# Altium PCB V1_PCB-main.PcbDoc (part 3 of 7) (continued)
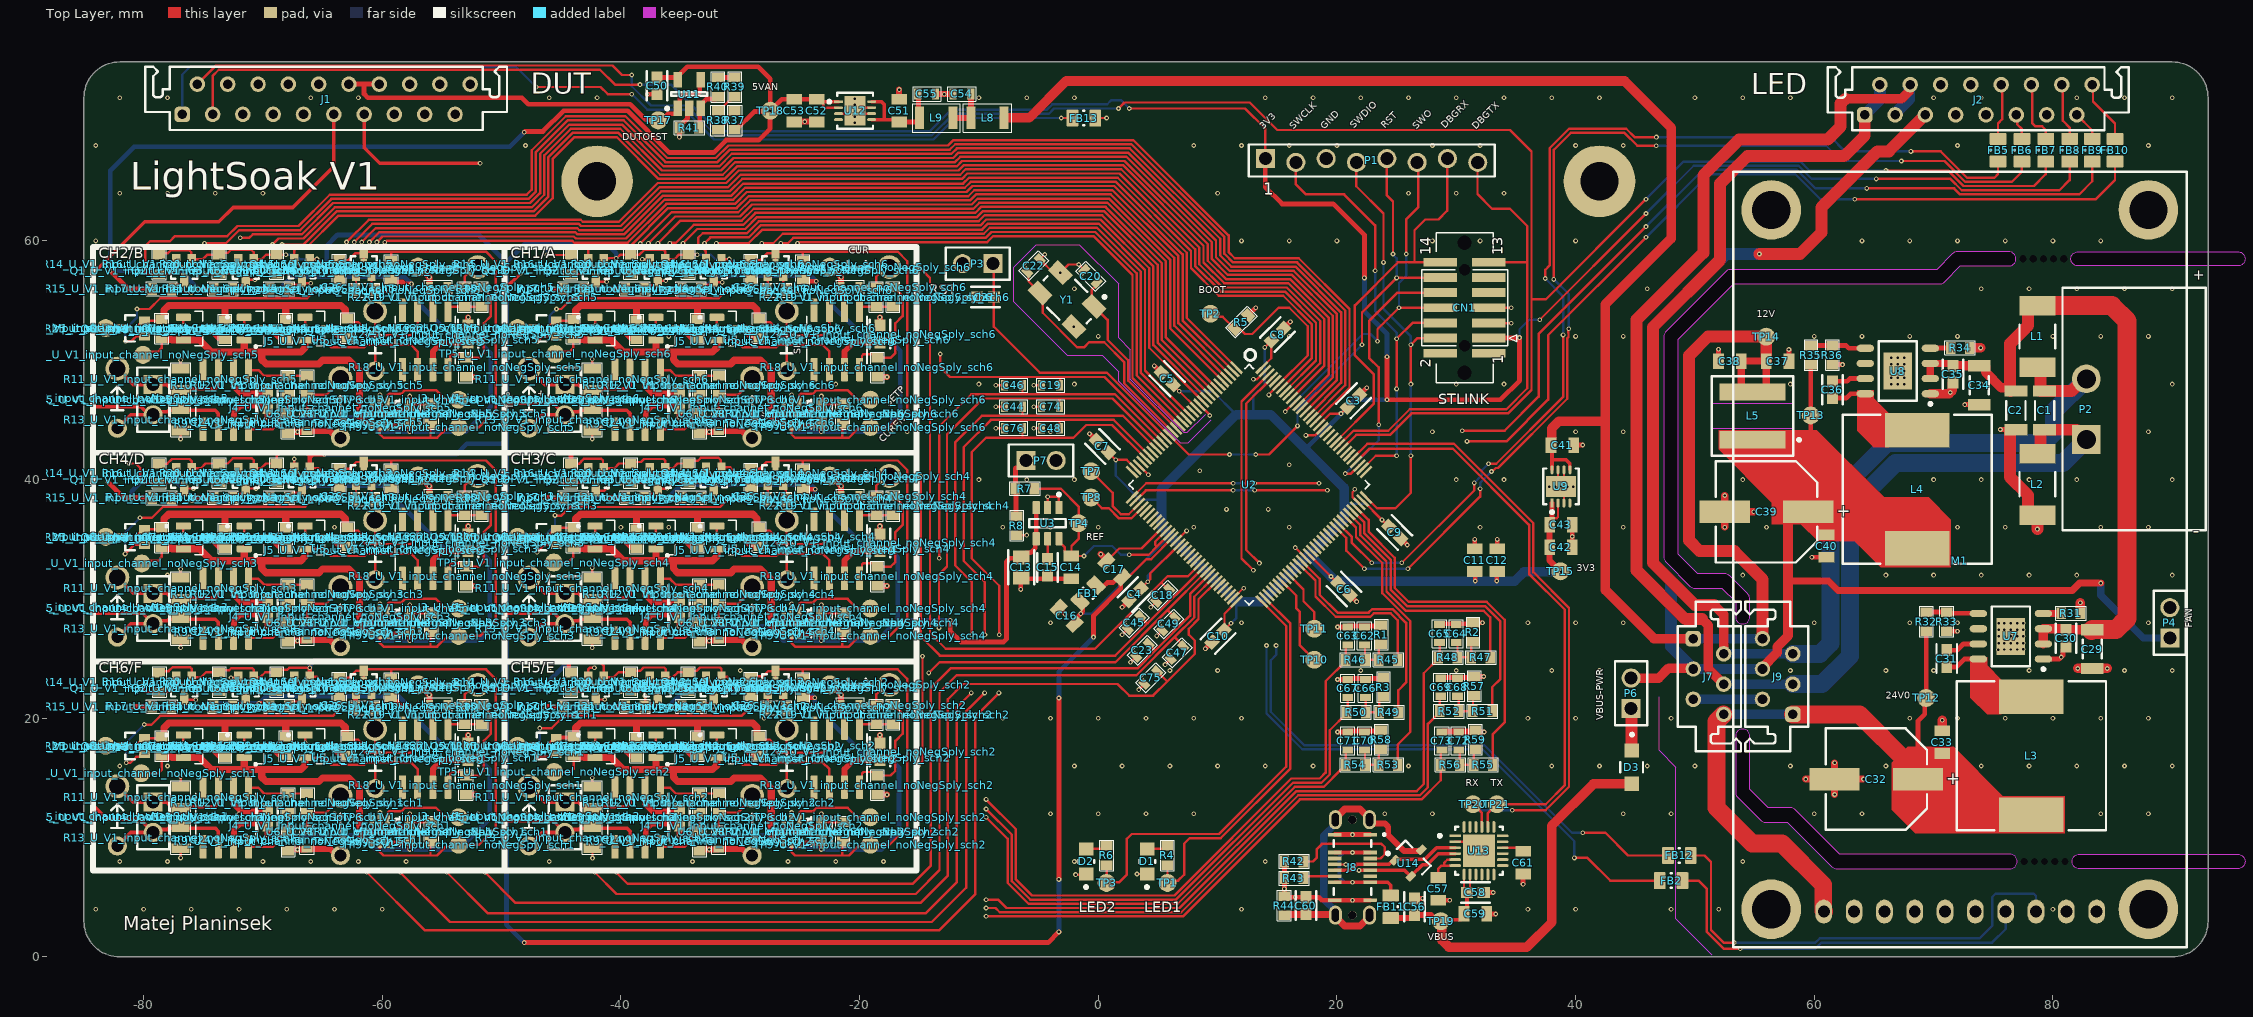
[diagram p0: Top Layer view]
## Nets (pads, with @x,y where several pads share a name; then routed paths per layer and width w, separated by ;. In a path a pad name is that pad's centre, name@x,y a point inside that pad or via, vN(x,y) a via of type N, cw(c..) or ccw(c..) an arc to the next point about the centre after c; other vN are vias at no path point) (continued)
  Top Layer w0.5: U4_U_V1_input_channel_noNegSply_sch1.7@-72.465,9.225 -72.42,9.27 -72.42,10.68 -71.9,11.2 -69.802,11.2 C25_U_V1_input_channel_noNegSply_sch1.1@-69.6,10.998 v1(-69.6,10.2) ; U4_U_V1_input_channel_noNegSply_sch3.7@-72.465,26.725 -72.42,26.77 -72.42,28.18 -71.9,28.7 -69.802,28.7 C25_U_V1_input_channel_noNegSply_sch3.1@-69.6,28.498 v1(-69.6,27.7) ; U4_U_V1_input_channel_noNegSply_sch5.7@-72.465,44.225 -72.42,44.27 -72.42,45.68 -71.9,46.2 -69.802,46.2 C25_U_V1_input_channel_noNegSply_sch5.1@-69.6,45.998 v1(-69.6,45.2) ; U5_U_V1_input_channel_noNegSply_sch1.7@-55.765,14.225 -55.765,15.735 -55.002,16.498 C27_U_V1_input_channel_noNegSply_sch1.1@-52.8,16.498 -52.598,16.7 v1(-52,16.7) ; U5_U_V1_input_channel_noNegSply_sch3.7@-55.765,31.725 -55.765,33.235 -55.002,33.998 C27_U_V1_input_channel_noNegSply_sch3.1@-52.8,33.998 -52.598,34.2 v1(-52,34.2) ; U5_U_V1_input_channel_noNegSply_sch5.7@-55.765,49.225 -55.765,50.735 -55.002,51.498 C27_U_V1_input_channel_noNegSply_sch5.1@-52.8,51.498 -52.598,51.7 v1(-52,51.7) ; U4_U_V1_input_channel_noNegSply_sch2.7@-37.965,9.225 -37.92,9.27 -37.92,10.68 -37.4,11.2 -35.302,11.2 C25_U_V1_input_channel_noNegSply_sch2.1@-35.1,10.998 v1(-35.1,10.2) ; U4_U_V1_input_channel_noNegSply_sch4.7@-37.965,26.725 -37.92,26.77 -37.92,28.18 -37.4,28.7 -35.302,28.7 C25_U_V1_input_channel_noNegSply_sch4.1@-35.1,28.498 v1(-35.1,27.7) ; U4_U_V1_input_channel_noNegSply_sch6.7@-37.965,44.225 -37.92,44.27 -37.92,45.68 -37.4,46.2 -35.302,46.2 C25_U_V1_input_channel_noNegSply_sch6.1@-35.1,45.998 v1(-35.1,45.2) ; U5_U_V1_input_channel_noNegSply_sch2.7@-21.265,14.225 -21.265,15.735 -20.502,16.498 C27_U_V1_input_channel_noNegSply_sch2.1@-18.3,16.498 -18.098,16.7 v1(-17.5,16.7) ; U5_U_V1_input_channel_noNegSply_sch4.7@-21.265,31.725 -21.265,33.235 -20.502,33.998 C27_U_V1_input_channel_noNegSply_sch4.1@-18.3,33.998 -18.098,34.2 v1(-17.5,34.2) ; U5_U_V1_input_channel_noNegSply_sch6.7@-21.265,49.225 -21.265,50.735 -20.502,51.498 C27_U_V1_input_channel_noNegSply_sch6.1@-18.3,51.498 -18.098,51.7 v1(-17.5,51.7)
  Inner layer 2 w0.4: v1(-82.8,57.5) -84.5,55.8 -84.5,43.5 -83,42 v1(-83,39.8) -84.5,38.3 -84.5,24.5 v1(-81,21) ; v1(-27.5,70.9) -27.5,64.6 -22.7,59.8 -14.7,59.8 -13.7,58.8 -13.7,53.2 -12.3,51.8 -12.3,48.5 -15,45.8 v1(-15,45.5) -15,42.6 -13.7,41.3 -13.7,37.3 -11.4,35 -11.4,32 -12.4,31 v1(-12.4,28.2) -12.4,15.1 -11.6,14.3 -9.1,14.3 -8.6,13.8 -8.6,10.9 -9,10.5 v1(-14.8,10.5)
  Bottom Layer w0.4: v1(-81,21) v1(-74.875,21) -74.625,21.25 v1(-70.325,21.25) -69.725,21.85 -58.6,21.85 v1(-57.725,20.975) -57.725,20.525 -53.9,16.7 v1(-52,16.7) -51,15.7 -51,11.6 -53.6,9 v1(-57.7,9) -60.5,9 -61.7,10.2 v1(-69.6,10.2) ; v1(-80.975,38.5) -80.975,39.025 -80.2,39.8 -77.25,39.8 -75.95,38.5 v1(-75.95,38.225) -70.775,38.225 v1(-70.5,38.5) -67.3,38.5 -66.3,39.5 -59.2,39.5 -58.75,39.05 v1(-58.75,38.175) -54.775,34.2 v1(-52,34.2) -51,33.2 -51,27.4 -51.9,26.5 v1(-57.7,26.5) -60.3,26.5 -61.4,27.6 -69.5,27.6 v1(-69.6,27.7) ; v1(-69.6,45.2) -61.5,45.2 -60.3,44 v1(-57.7,44) -53,44 -50.9,46.1 -50.9,50.6 v1(-52,51.7) -53.9,51.7 -57.55,55.35 v1(-57.55,56.4) -58.15,57 -67.6,57 -68.6,56 v1(-70.5,56) v1(-75.4,56) -76.9,57.5 v1(-82.8,57.5) -82.8,65.9 -80.8,67.9 -49.3,67.9 v1(-48.1,69.1) ; v1(-46.5,21) v1(-40.55,21) v1(-36,21) -34.7,22.3 -24.325,22.3 v1(-23.75,21.725) -23.75,21.05 -19.4,16.7 v1(-17.5,16.7) -16.7,15.9 -16.7,10.5 ; v1(-46.5,38.5) v1(-41.25,38.5) v1(-36,38.5) -34.9,39.6 -24.125,39.6 v1(-23.725,39.2) -23.725,38.525 -19.4,34.2 v1(-17.5,34.2) -16.8,33.5 -16.8,28.2 ; v1(-45.925,56) v1(-40.7,56) -33,56 -31.9,57.1 -24.1,57.1 v1(-23.625,56.625) -23.625,55.925 -19.4,51.7 v1(-17.5,51.7) -16.6,50.8 -16.6,45.5 ; v1(-35.1,10.2) -26.8,10.2 -25.8,9.2 -23.4,9.2 v1(-23.2,9) -18.2,9 -16.7,10.5 ; v1(-35.1,27.7) -27.6,27.7 -26.4,26.5 v1(-23.2,26.5) -18.5,26.5 -16.8,28.2 ; v1(-35.1,45.2) -26.7,45.2 -25.5,44 v1(-23.2,44) -18.1,44 -16.6,45.5 ; v1(-15,45.5) -16.6,45.5 ; v1(-14.8,10.5) -16.7,10.5 ; v1(-12.4,28.2) -16.8,28.2
+12V0: C37.2 C38.2 C41.2 J7.1 J9.6 L5.2 L8.1 TP14.1 U9.5 U9.8 | length 171.3
  Top Layer w0.3: C41.2@37.941,42.895 38.025,42.81 38.025,41.662 ; U9.8@38.025,40.813 38.025,41.662 ; U9.5@39.525,40.813 39.525,41.329 39.192,41.662 38.025,41.662
  Top Layer w0.6: L5.2@53.875,47.76 54.3,47.335 L5.2@54.825,47.335 55.55,47.335 55.975,47.76 C37.2@55.975,49.935 C38.2@53.875,49.935 L5.2@53.875,47.76
  Top Layer w0.8: L8.1@-7.885,70.316 -5.784,70.316 -2.7,73.4 44.1,73.4 48,69.5 48,60.2 42.5,54.7 42.5,44.9 ; C41.2@37.941,42.895 37.991,42.945 37.991,44.291 38.6,44.9 42.5,44.9 ; J7.1@49.86,26.67 46.57,26.67 42.5,30.74 42.5,44.9
  Top Layer w1: J9.6@55.66,26.67 55.66,31.64 53.3,34 50.4,34 49.5,34.9 49.5,50.389 51.086,51.975 TP14.1@55.975,51.975 ; C37.2@55.975,49.935 TP14.1@55.975,51.975 ; TP14.1@56.071,52.071 TP14.1@55.975,51.975
  Bottom Layer w0.8: J7.1@49.86,26.67 J9.6@55.66,26.67
+12V-NOFILTER: C39.1 C40.2 J2.5 J7.3 J9.4 L4.2 L5.1 P4.1 P6.2 R35.2 TP13.1 | length 129.8
  Top Layer w0.4: 59.7,43.225 TP13.1@59.7,45.375 59.712,45.388 59.712,49.623 R35.2@59.725,49.635
  Top Layer w0.6: 57.8,31.5 61.2,31.5 62,30.7 81.619,30.7 82.244,31.325 v1(84,31.325)
  Top Layer w0.8: P6.2@44.625,23.395 P6.2@44.65,23.37 46.97,23.37 47.8,24.2 49.79,24.2 J7.3@49.86,24.13 ; J9.4@55.66,24.13 55.66,24.265 56.887,25.492 56.887,25.987 57.8,26.9 57.8,31.5 57.8,36.75 58.35,37.3 C39.1@59.5,37.3
  Top Layer w1: v1(55.4,58.9) 58.8,58.9 60.6,60.7 60.6,62.8 65.3,67.5 66.25,67.5 J2.5@69.31,70.56
  Bottom Layer w0.6: v1(84,31.325) 84,30.3 87.57,26.73 P4.1@89.8,26.73
  Bottom Layer w0.8: J7.3@49.86,24.13 J9.4@55.66,24.13
  Bottom Layer w1: J7.3@49.86,24.13 48,25.99 48,31.5 46.5,33 46.5,52.8 52.6,58.9 v1(55.4,58.9)
+24V0: C32.1 C33.2 J7.6 J9.1 L3.2 M1.1 R32.2 TP12.1 | length 53.7
  Top Layer w0.4: C32.1@68.7,14.9 68.7,19.8 69.25,20.35 69.25,21.575 TP12.1@69.375,21.7 69.387,21.713 69.387,27.288 R32.2@69.4,27.3
  Top Layer w1.5: J7.6@52.4,20.32 51.8,19.72 51.8,12.5 54.8,9.5 57.3,9.5 60.75,6.05 60.75,3.85 M1.1@60.8,3.8 ; J9.1@58.2,20.32 63.78,20.32 67.87,16.23 67.87,15.1 C32.1@68.597,15.1
  Bottom Layer w0.8: J7.6@52.4,20.32 J9.1@58.2,20.32
+MAIN-PWR-IN: C2.1 C29.1 C30.1 C34.1 C35.1 L1.2 U7.2 U7.3 U8.2 U8.3 | length 59.6
  Top Layer w0.6: U8.2@69.725,48.465 U8.3@69.725,49.735 71.469,49.735 71.625,49.579 C35.1@71.625,49.535
  Top Layer w0.8: C35.1@71.625,49.535 C34.1@73.825,49.535 74.301,49.535 74.378,49.458 74.378,48.982 75.66,47.7 C2.1@76.4,47.7 ; C2.1@76.423,47.426 C2.1@76.8,47.426 ; U7.2@79.2,26.23 U7.3@79.2,27.5 81.044,27.5 81.1,27.444 C30.1@81.1,27.402 81.112,27.414 83.161,27.414 C29.1@83.224,27.35
  Top Layer w1: C2.1@76.423,47.426 76.4,47.448 76.4,51.4 77.914,52.914 77.914,54.25 78.239,54.575 L1.2@78.7,54.575
  Top Layer w1.6: L1.2@78.7,54.575 84.925,54.575 86.2,53.3 86.2,28.363 85.263,27.426 C29.1@83.3,27.426 C29.1@83.224,27.35
+VBUS: C56.1 C58.1 C59.2 D3.2 FB11.2 TP19.1 U13.7 U13.8 | length 40.2
  Top Layer w0.2: U13.7@30.65,6.91 30.65,5.648 C58.1@30.898,5.4 31.15,5.652 U13.8@31.15,6.91
  Top Layer w0.3: TP19.1@28.375,3 TP19.1@28.7,3 28.8,3.1 30.35,3.1 30.65,3.4 C59.2@30.65,3.6 30.898,3.848 C58.1@30.898,5.4
  Top Layer w0.5: FB11.2@24.5,3.25 26.294,3.25 26.5,3.456 C56.1@26.5,3.498 27.877,3.498 TP19.1@28.375,3
  Top Layer w0.8: TP19.1@28.796,2.904 28.796,1.411 29.381,0.825 35.925,0.825 38,2.9 38,11 41.5,14.5 D3.2@44.7,14.5
  Top Layer w1: TP19.1@28.7,3 TP19.1@28.796,2.904
+VIN-NOFILTER: C1.1 J2.1 J2.2 J7.2 J9.5 L1.1 P2.2 | length 118.1
  Top Layer w0.8: 51.6,29.5 52.4,28.7 J7.2@52.4,25.4
  Top Layer w1: 51.6,29.5 50,29.5 46.5,33 46.5,52.8 52.1,58.4 52.1,64.8 54.4,67.1 62.5,67.1 64.23,68.83 J2.1@64.23,70.56 ; L1.1@78.7,49.425 78.95,49.175 78.95,47.448 78.973,47.426 81.567,47.426 82.582,48.44 P2.2@82.8,48.44
  Bottom Layer w0.8: J7.2@52.4,25.4 J9.5@58.2,25.4
  Bottom Layer w1: J2.1@64.23,70.56 65.5,71.83 J2.2@65.5,73.1
  Bottom Layer w1.5: J9.5@58.2,25.4 60.471,25.4 61.35,26.279 61.35,38.283 66.117,43.05 79.221,43.05 80.1,43.929 80.1,45.74 P2.2@82.8,48.44
CH1-CUR: C18.1 C26_U_V1_input_channel_noNegSply_sch6.2 J6_U_V1_input_channel_noNegSply_sch6.POS R22_U_V1_input_channel_noNegSply_sch6.1 U2.53 | length 64.3
  Top Layer w0.2: C26_U_V1_input_channel_noNegSply_sch6.2@-20.05,56.1 R22_U_V1_input_channel_noNegSply_sch6.1@-18.6,56.1 -18.6,57 -17.8,57.8 J6_U_V1_input_channel_noNegSply_sch6.POS@-17.5,57.8 ; v1(-15,57.8) -14.1,56.9 -14.1,27.15 -12.775,25.825 -0.275,25.825 5.3,31.4 ; C18.1@5.93,30.83 5.83,30.83 5.3,31.361 5.3,31.4 ; U2.53@8.487,32.88 7.506,31.9 5.8,31.9 5.3,31.4
  Inner layer 2 w0.2: J6_U_V1_input_channel_noNegSply_sch6.POS@-17.5,57.8 v1(-15,57.8)
CH1-CUR-EN: Q4_U_V1_input_channel_noNegSply_sch6.2 R23_U_V1_input_channel_noNegSply_sch6.1 U2.18 | length 51
  Top Layer w0.2: Q4_U_V1_input_channel_noNegSply_sch6.2@-26.875,57.7 -26.875,57.665 -26.65,57.44 -26.65,57.325 Q4_U_V1_input_channel_noNegSply_sch6.2@-26.4,57.075 -26.4,56.1 R23_U_V1_input_channel_noNegSply_sch6.1@-26.175,55.875 -26.075,55.775 v1(-25.175,55.775) ; v1(-25.2,59.8) -25.146,59.8 -25.046,59.9 -9.3,59.9 -8.8,60.4 -0.4,60.4 2.869,57.131 2.869,48.506 U2.18@6.795,44.579
  Inner layer 2 w0.2: v1(-25.2,59.8) -25.2,55.8 v1(-25.175,55.775)
CH1-SETPOINT: C63.2 R46.1 TP6_U_V1_input_channel_noNegSply_sch6.1 U6_U_V1_input_channel_noNegSply_sch6.1 | length 108.3
  Top Layer w0.2: U6_U_V1_input_channel_noNegSply_sch6.1@-25.05,46.45 -25.05,47.083 -24.933,47.2 -23.9,47.2 -23.6,47.5 -21,47.5 -20.2,46.7 v1(-19.1,46.7) ; v1(-9.4,13.2) -6.9,10.7 -6.9,6.5 -5.55,5.15 6.375,5.15 16.175,14.95 18.555,14.95 19.05,15.445 19.05,23.1 20.75,24.8 R46.1@20.75,24.9 20.75,26 C63.2@20.9,26.15
  Inner layer 2 w0.2: v1(-19.1,46.7) -19.1,38.4 -15.4,34.7 -13.2,34.7 -12.5,34 -12.5,33.1 -13.1,32.5 -15.5,32.5 -16.2,31.8 -16.2,27.6 -19.85,23.95 -19.85,18.345 -19.455,17.95 -14.355,17.95 -13.55,17.145 -13.55,13.95 -12.8,13.2 v1(-9.4,13.2)
CH1-SHNTRNG-1: Q3_U_V1_input_channel_noNegSply_sch6.2 R20_U_V1_input_channel_noNegSply_sch6.1 U2.10 | length 59.2
  Top Layer w0.2: R20_U_V1_input_channel_noNegSply_sch6.1@-34.35,57.25 -33.225,57.25 -32.875,57.6 Q3_U_V1_input_channel_noNegSply_sch6.2@-32.875,58.475 ; R20_U_V1_input_channel_noNegSply_sch6.1@-34.1,57.4 R20_U_V1_input_channel_noNegSply_sch6.1@-34.1,57.5 ; Q3_U_V1_input_channel_noNegSply_sch6.2@-32.4,57.85 -32.4,57.885 -32.625,58.11 -32.625,58.225 Q3_U_V1_input_channel_noNegSply_sch6.2@-32.875,58.475 ; U2.10@9.051,46.835 4.619,51.267 4.619,57.856 0.325,62.15 -9.525,62.15 -10.025,61.65 -28.44,61.65 -29.44,60.65 -33.15,60.65 -33.525,60.275 -33.525,59.475 -33.4,59.35 -33.1,59.35 -32.9,59.15 -32.9,58.5 Q3_U_V1_input_channel_noNegSply_sch6.2@-32.875,58.475
CH1-SHNTRNG-10: Q2_U_V1_input_channel_noNegSply_sch6.2 R16_U_V1_input_channel_noNegSply_sch6.1 U2.4 | length 66
  Top Layer w0.2: R16_U_V1_input_channel_noNegSply_sch6.1@-39.5,57.5 R16_U_V1_input_channel_noNegSply_sch6.1@-39.5,57.6 ; R16_U_V1_input_channel_noNegSply_sch6.1@-39.175,57.25 -37.975,57.25 -37.6,57.625 -37.6,58.325 Q2_U_V1_input_channel_noNegSply_sch6.2@-37.45,58.325 ; v1(-38.375,59.775) -35.75,62.4 -30.165,62.4 -29.165,63.4 -16.2,63.4 -10.75,63.4 -10.25,63.9 1.05,63.9 6.369,58.581 6.369,52.901 U2.4@10.743,48.527 ; v1(-38.2,58.45) Q2_U_V1_input_channel_noNegSply_sch6.2@-37.575,58.45 Q2_U_V1_input_channel_noNegSply_sch6.2@-37.45,58.325 ; Q2_U_V1_input_channel_noNegSply_sch6.2@-37.1,57.825 -37.1,57.86 -37.325,58.085 -37.325,58.2 Q2_U_V1_input_channel_noNegSply_sch6.2@-37.45,58.325
  Inner layer 2 w0.2: v1(-38.375,59.775) -38.375,59.175 -38.2,59 v1(-38.2,58.45)
CH1-SHNTRNG-100: Q1_U_V1_input_channel_noNegSply_sch6.2 R14_U_V1_input_channel_noNegSply_sch6.1 U2.3 | length 69.5
  Top Layer w0.2: R14_U_V1_input_channel_noNegSply_sch6.1@-44.2,57.225 -43.325,57.225 -42.75,57.8 Q1_U_V1_input_channel_noNegSply_sch6.2@-42.75,58.45 ; Q1_U_V1_input_channel_noNegSply_sch6.2@-42.275,57.825 -42.275,57.86 -42.5,58.085 -42.5,58.2 Q1_U_V1_input_channel_noNegSply_sch6.2@-42.75,58.45 ; U2.3@11.024,48.809 6.719,53.115 6.719,58.726 1.195,64.25 -10.395,64.25 -10.895,63.75 -29.31,63.75 -30.31,62.75 -36.045,62.75 -39.295,59.5 -42.575,59.5 -42.75,59.325 Q1_U_V1_input_channel_noNegSply_sch6.2@-42.75,58.45
CH1-VOLT: C19.1 C24_U_V1_input_channel_noNegSply_sch6.2 J4_U_V1_input_channel_noNegSply_sch6.POS R12_U_V1_input_channel_noNegSply_sch6.1 U2.22 | length 44.9
  Top Layer w0.2: C24_U_V1_input_channel_noNegSply_sch6.2@-31.8,45.55 R12_U_V1_input_channel_noNegSply_sch6.1@-31.8,47.1 -30.2,47.1 -29,48.3 J4_U_V1_input_channel_noNegSply_sch6.POS@-29,48.5 ; v1(-13.25,50.525) -13.25,49.425 -12.425,48.6 -3.175,48.6 ; C19.1@-3.25,47.9 -3.175,47.975 -3.175,48.6 ; U2.22@5.667,43.451 0.518,48.6 -3.175,48.6
  Inner layer 2 w0.2: J4_U_V1_input_channel_noNegSply_sch6.POS@-29,48.5 -26.9,50.6 -18.765,50.6 -18.69,50.525 v1(-13.25,50.525)
CH2-CUR: C23.1 C26_U_V1_input_channel_noNegSply_sch5.2 J6_U_V1_input_channel_noNegSply_sch5.POS R22_U_V1_input_channel_noNegSply_sch5.1 U2.56 | length 134.8
  Top Layer w0.2: C26_U_V1_input_channel_noNegSply_sch5.2@-54.55,56.1 R22_U_V1_input_channel_noNegSply_sch5.1@-53.1,56.1 -53.1,57 -52.3,57.8 J6_U_V1_input_channel_noNegSply_sch5.POS@-52,57.8 ; v1(-40.4,7.1) -39.425,6.125 -15.575,6.125 -14.025,7.675 -14.025,22.525 -12.375,24.175 3.275,24.175 4.78,25.68 ; C23.1@4.23,26.23 4.78,25.68 ; U2.56@9.333,32.034 7.7,30.402 7.7,28.6 4.78,25.68
  Inner layer 2 w0.2: J6_U_V1_input_channel_noNegSply_sch5.POS@-52,57.8 -52,52.9 -52.9,52 -52.9,43.8 -50,40.9 -50,31.8 -47.4,29.2 -43.8,29.2 -43,28.4 -43,17.6 -38.9,13.5 -38.9,8.6 v1(-40.4,7.1)
CH2-CUR-EN: Q4_U_V1_input_channel_noNegSply_sch5.2 R23_U_V1_input_channel_noNegSply_sch5.1 U2.2 | length 91.2
  Top Layer w0.2: Q4_U_V1_input_channel_noNegSply_sch5.2@-61.375,57.7 -61.375,57.665 -61.15,57.44 -61.15,57.325 Q4_U_V1_input_channel_noNegSply_sch5.2@-60.9,57.075 -60.9,56.1 R23_U_V1_input_channel_noNegSply_sch5.1@-60.675,55.875 -60.075,55.875 -59.95,55.75 v1(-59.45,55.75) ; v1(-59.8,59.875) -59.746,59.875 -59.596,60.025 -44.096,60.025 -43.921,59.85 -39.44,59.85 -36.19,63.1 -30.455,63.1 -29.455,64.1 -11.04,64.1 -10.54,64.6 1.34,64.6 7.069,58.871 7.069,53.329 U2.2@11.306,49.091
  Inner layer 2 w0.2: v1(-59.8,59.875) -59.762,59.837 -59.762,59.45 -59.587,59.275 -59.587,59.258 -59.525,59.196 -59.525,58.948 -60.3,58.173 -60.3,56.6 v1(-59.45,55.75)
CH2-SETPOINT: C65.2 R48.1 TP6_U_V1_input_channel_noNegSply_sch5.1 U6_U_V1_input_channel_noNegSply_sch5.1 | length 143.2
  Top Layer w0.2: U6_U_V1_input_channel_noNegSply_sch5.1@-59.55,46.45 -59.55,47.083 -59.433,47.2 -58.4,47.2 -58.1,47.5 -55.5,47.5 -54.7,46.7 v1(-53.6,46.7) ; v1(-9.4,4.8) -8.4,4.8 -7.7,4.1 6.81,4.1 16.61,13.9 26.688,13.9 27.275,14.487 27.275,23.775 28.5,25 R48.1@28.5,25.1 28.6,25.2 C65.2@28.6,26.35
  Inner layer 2 w0.2: v1(-53.6,46.7) -53.6,30.7 -45.35,22.45 -45.35,16.85 -42.65,14.15 -42.65,8.655 -44.55,6.755 -44.55,5.245 -43.755,4.45 -11.05,4.45 -10.7,4.8 v1(-9.4,4.8)
CH2-SHNTRNG-1: Q3_U_V1_input_channel_noNegSply_sch5.2 R20_U_V1_input_channel_noNegSply_sch5.1 U2.117 | length 113.2
  Top Layer w0.2: R20_U_V1_input_channel_noNegSply_sch5.1@-68.85,57.25 -67.8,57.25 -67.375,57.675 Q3_U_V1_input_channel_noNegSply_sch5.2@-67.375,58.475 ; Q3_U_V1_input_channel_noNegSply_sch5.2@-66.9,57.85 -66.9,57.885 -67.125,58.11 -67.125,58.225 Q3_U_V1_input_channel_noNegSply_sch5.2@-67.375,58.475 ; U2.117@16.802,46.271 19.3,48.769 19.3,53.58 16.08,56.8 10.71,56.8 9.169,58.342 9.169,59.741 2.21,66.7 -11.41,66.7 -11.86,66.25 -30.275,66.25 -31.325,65.2 -36.85,65.2 -40.35,68.7 -43.9,68.7 -45.725,66.875 -45.725,63.575 -47.175,62.125 -63.68,62.125 -66.455,59.35 -67.2,59.35 -67.375,59.175 Q3_U_V1_input_channel_noNegSply_sch5.2@-67.375,58.475
CH2-SHNTRNG-10: Q2_U_V1_input_channel_noNegSply_sch5.2 R16_U_V1_input_channel_noNegSply_sch5.1 U2.114 | length 125.7
  Top Layer w0.2: v1(-74.85,57.25) R16_U_V1_input_channel_noNegSply_sch5.1@-73.675,57.25 -72.375,57.25 -72.075,57.55 Q2_U_V1_input_channel_noNegSply_sch5.2@-72.075,58.45 -71.825,58.2 -71.825,58.085 -71.6,57.86 Q2_U_V1_input_channel_noNegSply_sch5.2@-71.6,57.825 ; v1(-71.9,60.275) -71.125,60.275 -70.85,60.55 -66.74,60.55 -64.115,63.175 -47.61,63.175 -46.775,64.01 -46.775,67.31 -44.335,69.75 -39.915,69.75 -36.415,66.25 -31.76,66.25 -30.71,67.3 -12.294,67.3 -11.844,67.75 2.644,67.75 10.219,60.176 10.219,58.776 11.145,57.85 16.515,57.85 20.35,54.015 20.35,48.127 U2.114@17.648,45.425
  Inner layer 2 w0.2: v1(-74.85,57.25) -74.85,58.025 -72.6,60.275 v1(-71.9,60.275)
CH2-SHNTRNG-100: Q1_U_V1_input_channel_noNegSply_sch5.2 R14_U_V1_input_channel_noNegSply_sch5.1 U2.112 | length 133.4
  Top Layer w0.2: Q1_U_V1_input_channel_noNegSply_sch5.2@-76.775,57.825 -76.775,57.86 -77,58.085 -77,58.2 Q1_U_V1_input_channel_noNegSply_sch5.2@-77.25,58.45 -77.25,57.65 -77.675,57.225 R14_U_V1_input_channel_noNegSply_sch5.1@-78.7,57.225 -79.758,57.225 -79.875,57.342 -79.875,59.55 -79.45,59.975 -77.8,59.975 -77.375,60.4 -72.99,60.4 -72.14,61.25 -67.03,61.25 -64.405,63.875 -47.9,63.875 -47.475,64.3 -47.475,67.6 -44.625,70.45 -39.625,70.45 -36.125,66.95 -32.049,66.95 -30.999,68 -12.584,68 -12.134,68.45 2.934,68.45 10.919,60.466 10.919,59.066 11.435,58.55 16.805,58.55 21.05,54.305 21.05,47.699 U2.112@18.212,44.861
CH2-VOLT: C24_U_V1_input_channel_noNegSply_sch5.2 C44.1 J4_U_V1_input_channel_noNegSply_sch5.POS R12_U_V1_input_channel_noNegSply_sch5.1 U2.25 | length 154.8
  Top Layer w0.2: C24_U_V1_input_channel_noNegSply_sch5.2@-66.3,45.55 R12_U_V1_input_channel_noNegSply_sch5.1@-66.3,47.1 -64.7,47.1 -63.5,48.3 J4_U_V1_input_channel_noNegSply_sch5.POS@-63.5,48.5 ; v1(-54.6,7.1) -51.15,3.65 -14.475,3.65 -11.85,6.275 -11.85,20.925 v1(-10.65,22.125) ; v1(-10.6,27) -10.6,31.425 -12,32.825 -12,43.1 -9.75,45.35 -6.35,45.35 ; C44.1@-6.35,46.1 -6.35,45.35 ; U2.25@4.821,42.605 2.076,45.35 -6.35,45.35
  Inner layer 2 w0.2: J4_U_V1_input_channel_noNegSply_sch5.POS@-63.5,48.5 -63.5,46.8 -62.1,45.4 -62.1,34.5 -61.5,33.9 -58.3,33.9 -56.5,32.1 -56.5,25.9 -54.6,24 v1(-54.6,7.1) ; v1(-10.65,22.125) -10.625,22.15 -10.625,26.975 v1(-10.6,27)
CH3-CUR: C26_U_V1_input_channel_noNegSply_sch4.2 C45.1 J6_U_V1_input_channel_noNegSply_sch4.POS R22_U_V1_input_channel_noNegSply_sch4.1 U2.54 | length 48.3
  Top Layer w0.2: C26_U_V1_input_channel_noNegSply_sch4.2@-20.05,38.6 R22_U_V1_input_channel_noNegSply_sch4.1@-18.6,38.6 -18.6,39.5 -17.8,40.3 J6_U_V1_input_channel_noNegSply_sch4.POS@-17.5,40.3 ; v1(-14.875,40.3) -14.875,26.85 -13.275,25.25 1.42,25.25 4.135,27.965 ; C45.1@3.53,28.33 C45.1@3.53,28.53 4.096,27.965 4.135,27.965 ; U2.54@8.769,32.598 4.135,27.965
  Inner layer 2 w0.2: J6_U_V1_input_channel_noNegSply_sch4.POS@-17.5,40.3 -17.487,40.313 -14.887,40.313 v1(-14.875,40.3)
CH3-CUR-EN: Q4_U_V1_input_channel_noNegSply_sch4.2 R23_U_V1_input_channel_noNegSply_sch4.1 U2.17 | length 75.1
  Top Layer w0.2: Q4_U_V1_input_channel_noNegSply_sch4.2@-26.875,40.2 -26.875,40.165 -26.65,39.94 -26.65,39.825 Q4_U_V1_input_channel_noNegSply_sch4.2@-26.4,39.575 -26.175,39.35 R23_U_V1_input_channel_noNegSply_sch4.1@-26.175,38.375 -26.1,38.3 v1(-25.325,38.3) ; v1(-26.6,59.8) -26.005,59.8 -25.555,60.25 -9.445,60.25 -8.945,60.75 -0.255,60.75 3.219,57.276 3.219,48.72 U2.17@7.077,44.861
  Inner layer 2 w0.2: v1(-26.6,59.8) -26.6,57.1 -28,55.7 -28,53.2 -31.6,49.6 -31.6,44.2 -28.669,41.269 -28.294,41.269 v1(-25.325,38.3)
CH3-SETPOINT: C67.2 R50.1 TP6_U_V1_input_channel_noNegSply_sch4.1 U6_U_V1_input_channel_noNegSply_sch4.1 | length 79.5
  Top Layer w0.2: U6_U_V1_input_channel_noNegSply_sch4.1@-25.05,28.95 -25.05,29.583 -24.933,29.7 -23.9,29.7 -23.6,30 -21,30 -20.2,29.2 v1(-19.1,29.2) ; v1(-9.4,12.4) -7.25,10.25 -7.25,6.355 -5.695,4.8 6.52,4.8 16.32,14.6 18.7,14.6 19.4,15.3 19.4,19 20.8,20.4 R50.1@20.8,20.5 20.9,20.6 C67.2@20.9,21.75
  Inner layer 2 w0.2: v1(-19.1,29.2) -19.1,26 -20.2,24.9 -20.2,18.2 -19.6,17.6 -14.5,17.6 -13.9,17 -13.9,13.4 -12.9,12.4 v1(-9.4,12.4)
CH3-SHNTRNG-1: Q3_U_V1_input_channel_noNegSply_sch4.2 R20_U_V1_input_channel_noNegSply_sch4.1 U2.11 | length 78.3
  Top Layer w0.2: v1(-35.3,40.3) -35.262,40.262 -35.262,39.912 -35.1,39.75 R20_U_V1_input_channel_noNegSply_sch4.1@-34.35,39.75 -33.325,39.75 -32.875,40.2 Q3_U_V1_input_channel_noNegSply_sch4.2@-32.875,40.975 -32.625,40.725 -32.625,40.61 -32.4,40.385 Q3_U_V1_input_channel_noNegSply_sch4.2@-32.4,40.35 ; v1(-33,59.8) -32.5,60.3 -29.295,60.3 -28.295,61.3 -9.88,61.3 -9.38,61.8 0.18,61.8 4.269,57.711 4.269,51.053 U2.11@8.769,46.553
  Inner layer 2 w0.2: v1(-35.3,40.3) -34.6,40.3 -33.45,41.45 -33.45,57.745 -33,58.195 v1(-33,59.8)
CH3-SHNTRNG-10: Q2_U_V1_input_channel_noNegSply_sch4.2 R16_U_V1_input_channel_noNegSply_sch4.1 U2.8 | length 83.6
  Top Layer w0.2: v1(-40.025,39.725) -39.2,39.725 R16_U_V1_input_channel_noNegSply_sch4.1@-39.175,39.75 -37.975,39.75 -37.575,40.15 Q2_U_V1_input_channel_noNegSply_sch4.2@-37.575,40.95 -37.325,40.7 -37.325,40.585 -37.1,40.36 Q2_U_V1_input_channel_noNegSply_sch4.2@-37.1,40.325 ; v1(-35.9,59.8) -35.864,59.836 -35.4,59.836 -33.886,61.35 -29.73,61.35 -28.73,62.35 -10.315,62.35 -9.815,62.85 0.615,62.85 5.319,58.146 5.319,51.695 U2.8@9.615,47.399
  Inner layer 2 w0.2: v1(-40.025,39.725) -40.025,42.675 -35.2,47.5 -35.2,59.1 v1(-35.9,59.8)
CH3-SHNTRNG-100: Q1_U_V1_input_channel_noNegSply_sch4.2 R14_U_V1_input_channel_noNegSply_sch4.1 U2.5 | length 86.9
  Top Layer w0.2: v1(-45.225,39.7) -44.225,39.7 R14_U_V1_input_channel_noNegSply_sch4.1@-44.2,39.725 -43.175,39.725 -42.75,40.15 Q1_U_V1_input_channel_noNegSply_sch4.2@-42.75,40.95 -42.5,40.7 -42.5,40.585 -42.275,40.36 Q1_U_V1_input_channel_noNegSply_sch4.2@-42.275,40.325 ; v1(-37.7,59.8) -35.45,62.05 -30.02,62.05 -29.02,63.05 -10.605,63.05 -10.105,63.55 0.905,63.55 6.019,58.436 6.019,52.687 U2.5@10.461,48.245
  Inner layer 2 w0.2: v1(-45.225,39.7) -45.225,42.375 -40.65,46.95 -40.65,51.845 -38.35,54.145 -38.35,57.345 -37.7,57.995 v1(-37.7,59.8)
CH3-VOLT: C24_U_V1_input_channel_noNegSply_sch4.2 C46.1 J4_U_V1_input_channel_noNegSply_sch4.POS R12_U_V1_input_channel_noNegSply_sch4.1 U2.23 | length 55
  Top Layer w0.2: C24_U_V1_input_channel_noNegSply_sch4.2@-31.8,28.05 R12_U_V1_input_channel_noNegSply_sch4.1@-31.8,29.6 -30.2,29.6 -29,30.8 J4_U_V1_input_channel_noNegSply_sch4.POS@-29,31 ; v1(-13.325,33.4) -13.325,44.475 -10.65,47.15 -6.325,47.15 ; C46.1@-6.35,47.9 -6.35,47.175 -6.325,47.15 ; U2.23@5.385,43.169 1.404,47.15 -6.325,47.15
  Inner layer 2 w0.2: J4_U_V1_input_channel_noNegSply_sch4.POS@-29,31 -26.6,33.4 v1(-13.325,33.4)